# KiCad board pcb.kicad_pcb (continued)
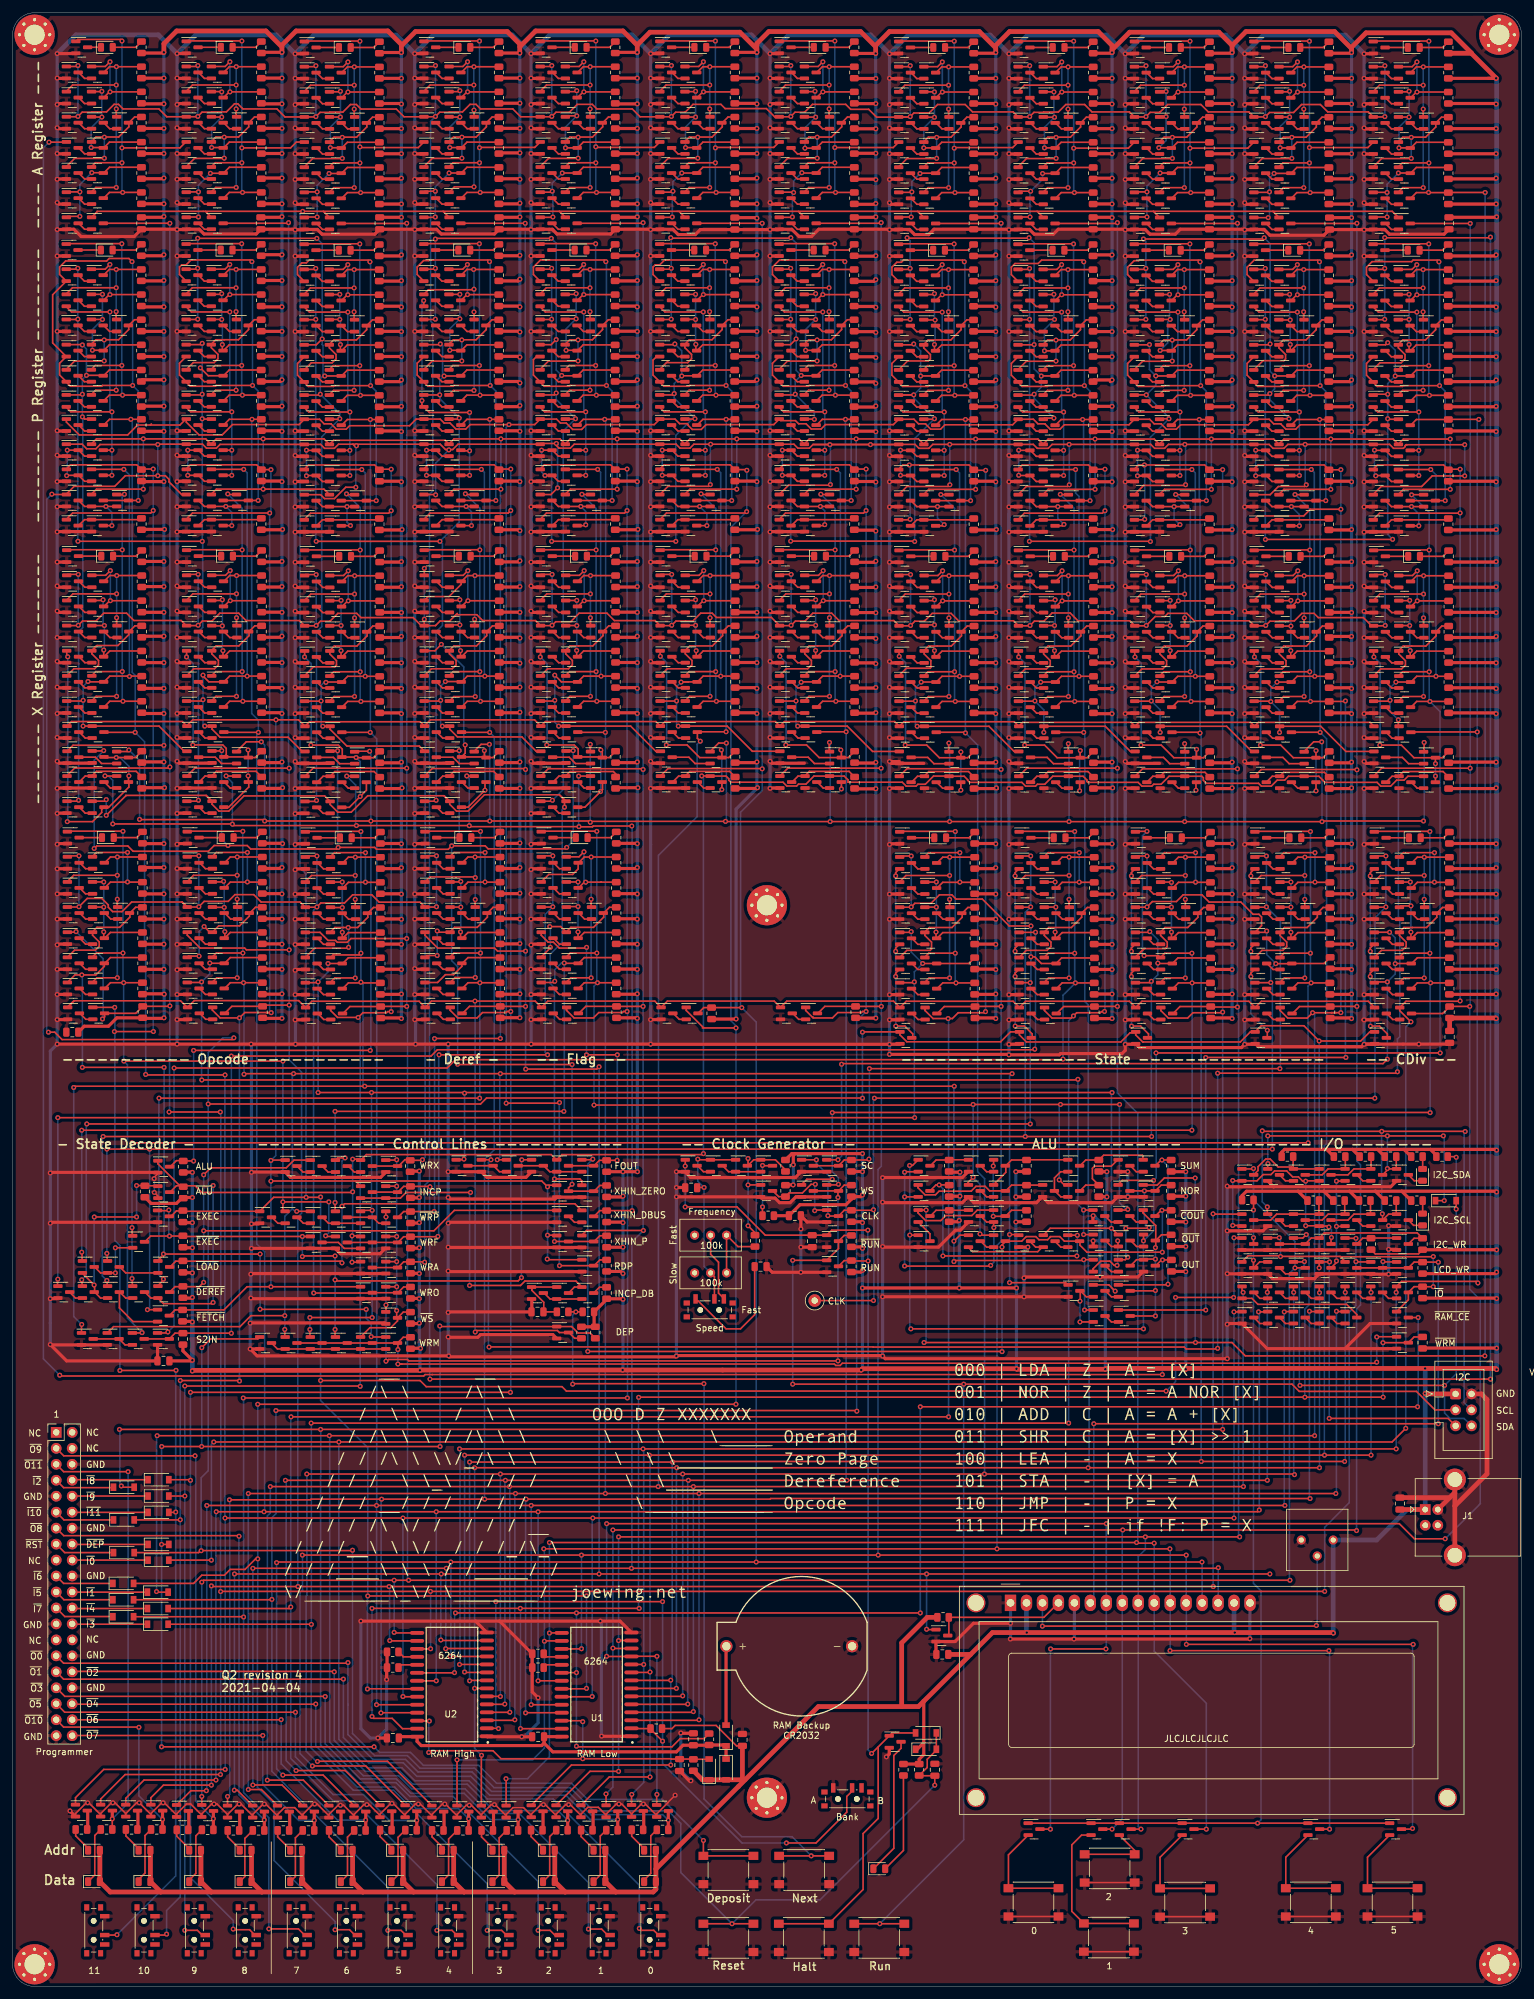
[diagram p0: board, top side]
## Placement (name value [footprint] x y rotation side) (continued)
R382  4.7k  [R_0805_2012Metric]  27.03 24.92 0 top
R383  4.7k  [R_0805_2012Metric]  31.03 24.92 0 top
R384  4.7k  [R_0805_2012Metric]  83.39 24.87 0 top
R385  4.7k  [R_0805_2012Metric]  87.39 24.87 0 top
R386  4.7k  [R_0805_2012Metric]  35.13 24.82 0 top
R387  4.7k  [R_0805_2012Metric]  39.13 24.82 0 top
R388  4.7k  [R_0805_2012Metric]  91.35 24.87 0 top
R389  4.7k  [R_0805_2012Metric]  95.35 24.87 0 top
R390  4.7k  [R_0805_2012Metric]  43.08 24.82 0 top
R391  4.7k  [R_0805_2012Metric]  47.08 24.82 0 top
R392  4.7k  [R_0805_2012Metric]  99.4 24.92 0 top
R393  4.7k  [R_0805_2012Metric]  103.4 24.92 0 top
R394  4.7k  [R_0805_2012Metric]  51.25 24.82 0 top
R395  4.7k  [R_0805_2012Metric]  55.25 24.82 0 top
R396  10k  [R_0805_2012Metric]  228.4 248.4 90 top
R397  10k  [R_0805_2012Metric]  228.6 155 90 top
R398  100k  [R_0805_2012Metric]  228.4 240.4 90 top
R399  10k  [R_0805_2012Metric]  228.4 232.65 90 top
R400  10k  [R_0805_2012Metric]  228.38 252.24 90 top
R401  10k  [R_0805_2012Metric]  228.38 268.24 90 top
R402  4.7k  [R_0805_2012Metric]  228.38 276.24 90 top
R403  10k  [R_0805_2012Metric]  228.38 256.24 90 top
R404  10k  [R_0805_2012Metric]  228.38 272.24 90 top
R405  10k  [R_0805_2012Metric]  228.38 264.24 90 top
R406  10k  [R_0805_2012Metric]  228.38 260.24 90 top
R407  10k  [R_0805_2012Metric]  228.4 284.5 90 top
R408  10k  [R_0805_2012Metric]  228.4 300.5 90 top
R409  4.7k  [R_0805_2012Metric]  228.4 308.5 90 top
R410  10k  [R_0805_2012Metric]  228.4 288.5 90 top
R411  10k  [R_0805_2012Metric]  228.4 304.5 90 top
R412  10k  [R_0805_2012Metric]  228.4 296.5 90 top
R413  10k  [R_0805_2012Metric]  228.4 292.5 90 top
R414  10k  [R_0805_2012Metric]  228.45 195.6 90 top
R415  10k  [R_0805_2012Metric]  228.45 191.5 90 top
R416  10k  [R_0805_2012Metric]  228.45 203.54 90 top
R417  10k  [R_0805_2012Metric]  228.45 219.54 90 top
R418  4.7k  [R_0805_2012Metric]  228.45 227.54 90 top
R419  10k  [R_0805_2012Metric]  228.45 207.54 90 top
R420  10k  [R_0805_2012Metric]  228.45 223.54 90 top
R421  10k  [R_0805_2012Metric]  228.45 215.54 90 top
R422  10k  [R_0805_2012Metric]  228.45 211.54 90 top
R423  10k  [R_0805_2012Metric]  133.9 248.42 90 top
R424  10k  [R_0805_2012Metric]  134.1 155.02 90 top
R425  10k  [R_0805_2012Metric]  228.56 158.76 90 top
R426  10k  [R_0805_2012Metric]  228.56 174.76 90 top
R427  4.7k  [R_0805_2012Metric]  228.56 182.76 90 top
R428  10k  [R_0805_2012Metric]  228.56 162.76 90 top
R429  10k  [R_0805_2012Metric]  228.56 178.76 90 top
R430  10k  [R_0805_2012Metric]  228.56 170.76 90 top
R431  10k  [R_0805_2012Metric]  228.56 166.76 90 top
R432  10k  [R_0805_2012Metric]  114.9 248.42 90 top
R433  10k  [R_0805_2012Metric]  111.2 154.83 90 top
R434  10k  [R_0805_2012Metric]  114.9 284.52 90 top
R435  10k  [R_0805_2012Metric]  114.9 300.52 90 top
R436  4.7k  [R_0805_2012Metric]  114.9 308.52 90 top
R437  10k  [R_0805_2012Metric]  114.9 288.52 90 top
R438  10k  [R_0805_2012Metric]  114.9 304.52 90 top
R439  10k  [R_0805_2012Metric]  114.9 296.52 90 top
R440  10k  [R_0805_2012Metric]  114.9 292.52 90 top
R441  10k  [R_0805_2012Metric]  114.95 195.62 90 top
R442  10k  [R_0805_2012Metric]  114.95 191.52 90 top
R443  10k  [R_0805_2012Metric]  114.95 203.56 90 top
R444  10k  [R_0805_2012Metric]  114.95 219.56 90 top
R445  4.7k  [R_0805_2012Metric]  114.95 227.56 90 top
R446  10k  [R_0805_2012Metric]  114.95 207.56 90 top
R447  10k  [R_0805_2012Metric]  114.95 223.56 90 top
R448  10k  [R_0805_2012Metric]  114.95 215.56 90 top
R449  10k  [R_0805_2012Metric]  114.95 211.56 90 top
R450  100k  [R_0805_2012Metric]  114.9 240.42 90 top
R451  10k  [R_0805_2012Metric]  114.9 232.67 90 top
R452  10k  [R_0805_2012Metric]  133.88 252.27 90 top
R453  10k  [R_0805_2012Metric]  133.88 268.27 90 top
R454  4.7k  [R_0805_2012Metric]  133.88 276.27 90 top
R455  10k  [R_0805_2012Metric]  133.88 256.27 90 top
R456  10k  [R_0805_2012Metric]  133.88 272.27 90 top
R457  10k  [R_0805_2012Metric]  133.88 264.27 90 top
R458  10k  [R_0805_2012Metric]  133.88 260.27 90 top
R459  10k  [R_0805_2012Metric]  133.9 284.52 90 top
R460  10k  [R_0805_2012Metric]  133.9 300.52 90 top
R461  4.7k  [R_0805_2012Metric]  133.9 308.52 90 top
R462  10k  [R_0805_2012Metric]  133.9 288.52 90 top
R463  10k  [R_0805_2012Metric]  133.9 304.52 90 top
R464  10k  [R_0805_2012Metric]  133.9 296.52 90 top
R465  10k  [R_0805_2012Metric]  133.9 292.52 90 top
R466  10k  [R_0805_2012Metric]  133.95 195.62 90 top
R467  10k  [R_0805_2012Metric]  133.95 191.52 90 top
R468  10k  [R_0805_2012Metric]  133.95 203.56 90 top
R469  10k  [R_0805_2012Metric]  133.95 219.56 90 top
R470  4.7k  [R_0805_2012Metric]  133.95 227.56 90 top
R471  10k  [R_0805_2012Metric]  133.95 207.56 90 top
R472  10k  [R_0805_2012Metric]  133.95 223.56 90 top
R473  10k  [R_0805_2012Metric]  133.95 215.56 90 top
R474  10k  [R_0805_2012Metric]  133.95 211.56 90 top
R475  10k  [R_0805_2012Metric]  114.88 252.27 90 top
R476  10k  [R_0805_2012Metric]  114.88 268.27 90 top
R477  4.7k  [R_0805_2012Metric]  114.88 276.27 90 top
R478  10k  [R_0805_2012Metric]  114.88 256.27 90 top
R479  10k  [R_0805_2012Metric]  114.88 272.27 90 top
R480  10k  [R_0805_2012Metric]  114.88 264.27 90 top
R481  10k  [R_0805_2012Metric]  114.88 260.27 90 top
R482  100k  [R_0805_2012Metric]  133.9 240.42 90 top
R483  10k  [R_0805_2012Metric]  133.9 232.67 90 top
R484  10k  [R_0805_2012Metric]  216.1 118.14 90 top
R485  10k  [R_0805_2012Metric]  224.3 118.13 90 top
R486  10k  [R_0805_2012Metric]  211.1 132.03 0 top
R487  10k  [R_0805_2012Metric]  202.8 132.03 0 top
R488  4.7k  [R_0805_2012Metric]  223.4 132.03 0 top
R489  10k  [R_0805_2012Metric]  215.2 132.03 0 top
R490  10k  [R_0805_2012Metric]  219.2 132.03 0 top
R491  10k  [R_0805_2012Metric]  211 125.03 0 top
R492  10k  [R_0805_2012Metric]  206.9 125.03 0 top
R493  10k  [R_0805_2012Metric]  215.1 125.03 0 top
R494  10k  [R_0805_2012Metric]  219.2 125.03 0 top
R495  4.7k  [R_0805_2012Metric]  223.4 125.03 0 top
RV1  100k  [Potentiometer_Bourns_3296W_Vertical]  108.5 113.53 180 top
RV2  100k  [Potentiometer_Bourns_3296W_Vertical]  108.5 119.53 180 top
RV3  10k  [Potentiometer_Bourns_3386P_Vertical]  205 71.03 270 top
SW1  Speed  [SW_TA3524S-A2]  110.9 107.63 0 top
SW2  Bank  [SW_TA3524S-A2]  132.8 29.83 0 top
SW3  Halt  [SW_SPST_PTS645]  125.87 7.73 0 top
SW4  Reset  [SW_SPST_PTS645]  113.87 7.73 0 top
SW5  Deposit  [SW_SPST_PTS645]  113.87 18.53 0 top
SW6  Run  [SW_SPST_PTS645]  137.87 7.73 0 top
SW7  Next  [SW_SPST_PTS645]  125.92 18.53 0 top
SW14  Input  [SW_SPST_PTS645]  219.52 13.38 0 top
SW15  Input  [SW_SPST_PTS645]  206.52 13.38 0 top
SW16  Input  [SW_SPST_PTS645]  186.52 13.35 0 top
SW17  Input  [SW_SPST_PTS645]  174.52 18.78 0 top
SW18  Input  [SW_SPST_PTS645]  174.4 7.78 0 top
SW19  Input  [SW_SPST_PTS645]  162.4 13.38 0 top
SW20  SW  [SW_TA3524S-A2]  61.14 8.93 270 top
SW21  SW  [SW_TA3524S-A2]  12.89 8.93 270 top
SW22  SW  [SW_TA3524S-A2]  69.19 8.93 270 top
SW23  SW  [SW_TA3524S-A2]  20.89 8.93 270 top
SW24  SW  [SW_TA3524S-A2]  77.19 8.93 270 top
SW25  SW  [SW_TA3524S-A2]  28.89 8.93 270 top
SW26  SW  [SW_TA3524S-A2]  85.19 8.93 270 top
SW27  SW  [SW_TA3524S-A2]  37 8.93 270 top
SW28  SW  [SW_TA3524S-A2]  93.29 8.93 270 top
SW29  SW  [SW_TA3524S-A2]  45.09 8.93 270 top
SW30  SW  [SW_TA3524S-A2]  101.34 8.93 270 top
SW31  SW  [SW_TA3524S-A2]  53.09 8.93 270 top
TP1  CLK  [TestPoint_Loop_D2.50mm_Drill1.0mm]  127.6 109.13 0 top
U1  6264  [SOIC127P1210X305-28N]  92.9 48.03 180 top
U2  6264  [SOIC127P1210X305-28N]  69.9 48.03 180 top

## Library data of the parts
C1-C6 C12 C20 C25 = -: LCSC: C28323
C7-C11 C14-C19 C21-C24 C26-C28 = -: LCSC: C49678
C13 = -: LCSC: C46653
D1-D29 D33-D40 D67 D68 D83-D92 = -: LCSC: C2293
D30-D32 D41 D42 D69-D82 D93 = -: LCSC: C19167
D43-D66 = -: LCSC: C34499
Q1-Q1111 = -: LCSC: C181083
R1 R2 R4-R6 R8-R13 R15-R22 R24-R29 R31-R34 R36 R37 R39-R41 R43 R47 R48 R51 R56-R59 R61-R63 R65-R70 R72-R79 R81-R86 R88-R93 R95-R97 R99-R104 R106-R113 R115-R120 R122-R125 R128 R129 R133 R134 R136 R137 R139-R141 R143-R148 R150-R157 R159-R164 R166-R171 R173-R175 R177-R182 R184-R191 R193-R198 R200-R218 R220-R222 R224-R229 R231-R238 R240-R245 R247-R252 R254-R256 R258-R263 R265-R272 R274-R279 R281-R287 R290 R291 R298 R299 R301-R303 R305-R310 R312-R319 R321-R326 R328-R333 R335-R337 R339-R344 R346-R353 R355-R360 R362-R366 R368-R371 R396 R397 R399-R401 R403-R408 R410-R417 R419-R426 R428-R435 R437-R444 R446-R449 R451-R453 R455-R460 R462-R469 R471-R476 R478-R481 R483-R487 R489-R494 = -: LCSC: C17414
R3 R60 R94 R138 R172 R219 R253 R292-R297 R300 R334 R367 R398 R450 R482 = -: LCSC: C17407
R7 R14 R23 R30 R64 R71 R80 R87 R98 R105 R114 R121 R135 R142 R149 R158 R165 R176 R183 R192 R199 R223 R230 R239 R246 R257 R264 R273 R280 R304 R311 R320 R327 R338 R345 R354 R361 R372-R395 R402 R409 R418 R427 R436 R445 R454 R461 R470 R477 R488 R495 = -: LCSC: C17673
R35 R38 R42 R44-R46 R49 R50 R52-R55 R126 R127 R130-R132 R288 = -: LCSC: C17513
SW1 SW2 SW20-SW31 = -: LCSC: C514017
SW3-SW7 SW14-SW19 = -: LCSC: C620316
U1 U2 = -: LCSC: C261872

## Footprints (pads in the part's own frame, mm; a bottom-side part is the same pattern mirrored in y, then rotated)
BATTCOM_20MM_PTH
  round 1.948 hole 1.298: 1(11.849,0) 2(-8.148,0)
C_0805_2012Metric
  rrect 1x1.45 smd: 1(-0.95,0) 2(0.95,0)
D_SOD-123
  rect 0.9x1.2 smd: 1(-1.65,0) 2(1.65,0)
IDC-Header_2x03_P2.54mm_Vertical
  rrect 1.7x1.7 hole 1: 1(0,0)
  round 1.7 hole 1: 2(2.54,0) 3(0,-2.54) 4(2.54,-2.54) 5(0,-5.08) 6(2.54,-5.08)
LED_0805_2012Metric
  rrect 0.975x1.4 smd: 1(-0.938,0) 2(0.938,0)
MountingHole_3.2mm_M3_Pad_Via
  round 0.8 hole 0.5: 1(-2.4,0) 1(-1.697,1.697) 1(-1.697,-1.697) 1(0,2.4) 1(0,-2.4) 1(1.697,1.697) 1(1.697,-1.697) 1(2.4,0)
  round 6.4 hole 3.2: 1(0,0)
PinHeader_2x20_P2.54mm_Vertical
  rect 1.7x1.7 hole 1: 1(0,0)
  oval 1.7x1.7 hole 1: 2(2.54,0) 3(0,-2.54) 4(2.54,-2.54) 5(0,-5.08) 6(2.54,-5.08) 7(0,-7.62) 8(2.54,-7.62) 9(0,-10.16) 10(2.54,-10.16) 11(0,-12.7) 12(2.54,-12.7) 13(0,-15.24) 14(2.54,-15.24) 15(0,-17.78) 16(2.54,-17.78) 17(0,-20.32) 18(2.54,-20.32) 19(0,-22.86) 20(2.54,-22.86) 21(0,-25.4) 22(2.54,-25.4) 23(0,-27.94) 24(2.54,-27.94) 25(0,-30.48) 26(2.54,-30.48) 27(0,-33.02) 28(2.54,-33.02) 29(0,-35.56) 30(2.54,-35.56) 31(0,-38.1) 32(2.54,-38.1) 33(0,-40.64) 34(2.54,-40.64) 35(0,-43.18) 36(2.54,-43.18) 37(0,-45.72) 38(2.54,-45.72) 39(0,-48.26) 40(2.54,-48.26)
Potentiometer_Bourns_3296W_Vertical
  round 1.44 hole 0.8: 1(0,0) 2(-2.54,0) 3(-5.08,0)
Potentiometer_Bourns_3386P_Vertical
  round 1.44 hole 0.8: 1(0,0) 2(2.54,2.54) 3(0,5.08)
R_0805_2012Metric
  rrect 1.025x1.4 smd: 1(-0.912,0) 2(0.912,0)
SOIC127P1210X305-28N
  oval 2.25x0.6 smd: 1(-5.55,8.225) 2(-5.55,6.955) 3(-5.55,5.685) 4(-5.55,4.415) 5(-5.55,3.145) 6(-5.55,1.875) 7(-5.55,0.605) 8(-5.55,-0.665) 9(-5.55,-1.935) 10(-5.55,-3.205) 11(-5.55,-4.475) 12(-5.55,-5.745) 13(-5.55,-7.015) 14(-5.55,-8.285) 15(5.55,-8.225) 16(5.55,-6.955) 17(5.55,-5.685) 18(5.55,-4.415) 19(5.55,-3.145) 20(5.55,-1.875) 21(5.55,-0.605) 22(5.55,0.665) 23(5.55,1.935) 24(5.55,3.205) 25(5.55,4.475) 26(5.55,5.745) 27(5.55,7.015) 28(5.55,8.285)
SOT-23
  rrect 1.475x0.6 smd: 1(-0.938,0.95) 2(-0.938,-0.95) 3(0.938,0)
SW_SPST_PTS645
  rect 1.55x1.3 smd: 1(-3.98,2.25) 1(3.98,2.25) 2(-3.98,-2.25) 2(3.98,-2.25)
SW_TA3524S-A2
  rect 1x0.8 smd: (-3.65,1.11) (-3.65,-1.1) (3.65,1.11) (3.65,-1.1)
  round 0.9 hole 0.9 unplated: (-1.5,0) (1.5,0)
  rect 0.7x1.5 smd: 1(-2.25,1.76) 2(0.75,1.76) 3(2.25,1.76)
TestPoint_Loop_D2.50mm_Drill1.0mm
  round 2 hole 1: 1(0,0)
USB_B_OST_USB-B1HSxx_Horizontal
  rect 1.7x1.7 hole 0.92: 1(0,0)
  round 1.7 hole 0.92: 2(0,-2.5) 3(2,-2.5) 4(2,0)
  round 3.5 hole 2.33: 5(4.71,4.77) 5(4.71,-7.27)
WC1602A
  round 3 hole 2.5: (-5.499,0) (-5.499,-31.001) (69.499,-31.001) (69.5,0)
  rect 1.8x2.6 hole 1.2: 1(0,0)
  oval 1.8x2.6 hole 1.2: 2(2.54,0) 3(5.08,0) 4(7.62,0) 5(10.16,0) 6(12.7,0) 7(15.24,0) 8(17.78,0) 9(20.32,0) 10(22.86,0) 11(25.4,0) 12(27.94,0) 13(30.48,0) 14(33.02,0) 15(35.56,0) 16(38.1,0)

## Nets
GND: BT1.2 C1.2 C2.2 C3.2 C4.2 C5.2 C6.2 C7.2 C8.1 C9.2 C10.2 C11.1 C12.1 C13.1 C14.2 C15.2 C16.2 C17.2 C18.1 C19.1 C20.2 C21.1 C22.2 C23.2 C24.1 C25.1 C26.2 C27.2 C28.2 DS1.1 DS1.5 DS1.16 H1.1 H2.1 H3.1 H4.1 H5.1 H6.1 J1.4 J1.5 J2.6 J2.9 J2.14 J2.20 J2.25 J2.30 J2.34 J2.39 J3.2 Q2.2 Q4.2 Q9.2 Q10.2 Q11.2 Q12.2 Q13.2 Q18.2 Q25.2 Q29.2 Q32.2 Q33.2 Q34.2 Q37.2 Q38.2 Q41.2 Q43.2 Q48.2 Q49.2 Q50.2 Q51.2 Q52.2 Q53.2 Q56.2 Q57.2 Q58.2 Q61.2 Q62.2 Q65.2 Q67.2 Q70.2 Q71.2 Q72.2 Q75.2 Q76.2 Q79.2 Q81.2 Q90.2 Q92.2 Q94.2 Q95.2 Q96.2 Q98.2 Q99.2 Q100.2 Q101.2 Q102.2 Q103.2 Q104.2 Q105.2 Q107.2 Q110.2 Q111.2 Q112.2 Q113.2 Q114.2 Q117.2 Q119.2 Q122.2 Q127.2 Q129.2 Q132.2 Q133.2 Q134.2 Q135.2 Q142.2 Q144.2 Q149.2 Q150.2 Q151.2 Q152.2 Q153.2 Q158.2 Q165.2 Q169.2 Q172.2 Q173.2 Q174.2 Q177.2 Q178.2 Q181.2 Q183.2 Q188.2 Q189.2 Q190.2 Q191.2 Q192.2 Q193.2 Q196.2 Q197.2 Q198.2 Q201.2 Q202.2 Q205.2 Q207.2 Q210.2 Q211.2 Q212.2 Q215.2 Q216.2 Q219.2 Q221.2 Q223.2 Q224.2 Q226.2 Q231.2 Q232.2 Q233.2 Q234.2 Q235.2 Q240.2 Q247.2 Q251.2 Q254.2 Q255.2 Q256.2 Q259.2 Q260.2 Q263.2 Q265.2 Q269.2 Q270.2 Q271.2 Q272.2 Q275.2 Q276.2 Q277.2 Q280.2 Q281.2 Q284.2 Q286.2 Q289.2 Q290.2 Q291.2 Q298.2 Q301.2 Q302.2 Q305.2 Q306.2 Q308.2 Q309.2 Q310.2 Q311.2 Q312.2 Q313.2 Q315.2 Q317.2 Q322.2 Q323.2 Q324.2 Q325.2 Q326.2 Q331.2 Q338.2 Q342.2 Q345.2 Q346.2 Q347.2 Q350.2 Q351.2 Q354.2 Q356.2 Q361.2 Q362.2 Q363.2 Q364.2 Q365.2 Q366.2 Q369.2 Q370.2 Q371.2 Q374.2 Q375.2 Q378.2 Q380.2 Q383.2 Q384.2 Q385.2 Q388.2 Q389.2 Q392.2 Q394.2 Q396.2 Q397.2 Q399.2 Q404.2 Q405.2 Q406.2 Q407.2 Q408.2 Q413.2 Q420.2 Q424.2 Q427.2 Q428.2 Q429.2 Q432.2 Q433.2 Q436.2 Q438.2 Q442.2 Q443.2 Q444.2 Q445.2 Q448.2 Q449.2 Q450.2 Q453.2 Q454.2 Q457.2 Q459.2 Q462.2 Q463.2 Q464.2 Q471.2 Q475.2 Q478.2 Q479.2 Q485.2 Q486.2 Q487.2 Q499.2 Q500.2 Q505.2 Q506.2 Q507.2 Q508.2 Q509.2 Q511.2 Q513.2 Q518.2 Q519.2 Q520.2 Q521.2 Q522.2 Q527.2 Q534.2 Q538.2 Q541.2 Q542.2 Q543.2 Q546.2 Q547.2 Q550.2 Q552.2 Q557.2 Q558.2 Q559.2 Q560.2 Q561.2 Q562.2 Q565.2 Q566.2 Q567.2 Q570.2 Q571.2 Q574.2 Q576.2 Q579.2 Q580.2 Q581.2 Q584.2 Q585.2 Q588.2 Q590.2 Q592.2 Q593.2 Q595.2 Q600.2 Q601.2 Q602.2 Q603.2 Q604.2 Q609.2 Q616.2 Q620.2 Q623.2 Q624.2 Q625.2 Q628.2 Q629.2 Q632.2 Q634.2 Q638.2 Q639.2 Q640.2 Q641.2 Q644.2 Q645.2 Q646.2 Q649.2 Q650.2 Q653.2 Q655.2 Q658.2 Q659.2 Q660.2 Q667.2 Q670.2 Q671.2 Q672.2 Q673.2 Q678.2 Q679.2 Q687.2 Q689.2 Q691.2 Q696.2 Q697.2 Q698.2 Q699.2 Q700.2 Q705.2 Q712.2 Q716.2 Q719.2 Q720.2 Q721.2 Q724.2 Q725.2 Q728.2 Q730.2 Q735.2 Q736.2 Q737.2 Q738.2 Q739.2 Q740.2 Q743.2 Q744.2 Q745.2 Q748.2 Q749.2 Q752.2 Q754.2 Q757.2 Q758.2 Q759.2 Q762.2 Q763.2 Q766.2 Q768.2 Q770.2 Q771.2 Q773.2 Q778.2 Q779.2 Q780.2 Q781.2 Q782.2 Q787.2 Q794.2 Q798.2 Q801.2 Q802.2 Q803.2 Q806.2 Q807.2 Q810.2 Q812.2 Q816.2 Q817.2 Q818.2 Q819.2 Q822.2 Q823.2 Q824.2 Q827.2 Q828.2 Q831.2 Q833.2 Q836.2 Q837.2 Q838.2 Q845.2 Q848.2 Q849.2 Q850.2 Q851.2 Q852.2 Q853.2 Q862.2 Q863.2 Q864.2 Q865.2 Q866.2 Q867.2 Q868.2 Q869.2 Q870.2 Q871.2 Q872.2 Q873.2 Q874.2 Q875.2 Q876.2 Q877.2 Q878.2 Q879.2 Q880.2 Q881.2 Q882.2 Q883.2 Q884.2 Q885.2 Q887.2 Q888.2 Q890.2 Q895.2 Q896.2 Q897.2 Q898.2 Q899.2 Q904.2 Q911.2 Q915.2 Q918.2 Q919.2 Q920.2 Q923.2 Q924.2 Q927.2 Q929.2 Q933.2 Q934.2 Q935.2 Q936.2 Q939.2 Q940.2 Q941.2 Q944.2 Q945.2 Q948.2 Q950.2 Q952.2 Q955.2 Q956.2 Q957.2 Q964.2 Q968.2 Q971.2 Q972.2 Q973.2 Q976.2 Q977.2 Q980.2 Q982.2 Q986.2 Q987.2 Q988.2 Q989.2 Q992.2 Q993.2 Q994.2 Q997.2 Q998.2 Q1001.2 Q1003.2 Q1005.2 Q1007.2 Q1012.2 Q1013.2 Q1014.2 Q1015.2 Q1016.2 Q1021.2 Q1028.2 Q1032.2 Q1035.2 Q1036.2 Q1037.2 Q1040.2 Q1041.2 Q1044.2 Q1046.2 Q1050.2 Q1051.2 Q1052.2 Q1053.2 Q1056.2 Q1057.2 Q1058.2 Q1061.2 Q1062.2 Q1065.2 Q1067.2 Q1072.2 Q1079.2 Q1083.2 Q1088.2 Q1089.2 Q1090.2 Q1091.2 Q1092.2 Q1093.2 Q1095.2 Q1096.2 Q1097.2 Q1102.2 Q1105.2 Q1108.2 Q1110.2 Q1111.2 R292.2 R293.2 R294.2 R295.2 RV3.1 SW2.1 SW3.2 SW4.2 SW5.2 SW6.2 SW7.2 SW14.2 SW15.2 SW16.2 SW17.2 SW18.2 SW19.2 SW20.1 SW21.1 SW22.1 SW23.1 SW24.1 SW25.1 SW26.1 SW27.1 SW28.1 SW29.1 SW30.1 SW31.1 U1.1 U1.14 U2.1 U2.14
VCC: C1.1 C2.1 C3.1 C4.1 C5.1 C6.1 C7.1 C9.1 C10.1 C11.2 C14.1 C15.1 C16.1 C17.1 C22.1 C23.1 C26.1 C27.1 C28.1 D31.2 D32.1 D42.1 D43.2 D44.2 D45.2 D46.2 D47.2 D48.2 D49.2 D50.2 D51.2 D52.2 D53.2 D54.2 D55.2 D56.2 D57.2 D58.2 D59.2 D60.2 D61.2 D62.2 D63.2 D64.2 D65.2 D66.2 DS1.2 DS1.15 J1.1 J3.1 Q52.1 R1.1 R2.1 R3.1 R4.1 R5.1 R6.1 R7.1 R8.1 R9.1 R10.1 R11.1 R12.1 R13.1 R14.1 R15.1 R16.1 R17.1 R18.1 R19.1 R20.1 R21.1 R22.1 R23.1 R24.1 R25.1 R26.1 R27.1 R28.1 R29.1 R30.1 R31.1 R32.1 R33.1 R34.1 R35.1 R36.1 R37.1 R38.1 R39.1 R40.1 R41.1 R42.1 R43.1 R44.1 R45.1 R46.1 R47.1 R48.1 R49.1 R50.1 R52.2 R53.1 R54.1 R55.1 R56.1 R57.1 R58.1 R59.1 R60.1 R61.1 R62.1 R63.1 R64.1 R65.1 R66.1 R67.1 R68.1 R69.1 R70.1 R71.1 R72.1 R73.1 R74.1 R75.1 R76.1 R77.1 R78.1 R79.1 R80.1 R81.1 R82.1 R83.1 R84.1 R85.1 R86.1 R87.1 R88.1 R89.1 R90.1 R91.1 R92.1 R93.1 R94.1 R95.1 R96.1 R97.1 R98.1 R99.1 R100.1 R101.1 R102.1 R103.1 R104.1 R105.1 R106.1 R107.1 R108.1 R109.1 R110.1 R111.1 R112.1 R113.1 R114.1 R115.1 R116.1 R117.1 R118.1 R119.1 R120.1 R121.1 R122.1 R123.1 R124.1 R125.1 R126.1 R128.1 R129.1 R130.1 R131.1 R132.2 R133.1 R134.1 R135.1 R136.1 R137.1 R138.1 R139.1 R140.1 R141.1 R142.1 R143.1 R144.1 R145.1 R146.1 R147.1 R148.1 R149.1 R150.1 R151.1 R152.1 R153.1 R154.1 R155.1 R156.1 R157.1 R158.1 R159.1 R160.1 R161.1 R162.1 R163.1 R164.1 R165.1 R166.1 R167.1 R168.1 R169.1 R170.1 R171.1 R172.1 R173.1 R174.1 R175.1 R176.1 R177.1 R178.1 R179.1 R180.1 R181.1 R182.1 R183.1 R184.1 R185.1 R186.1 R187.1 R188.1 R189.1 R190.1 R191.1 R192.1 R193.1 R194.1 R195.1 R196.1 R197.1 R198.1 R199.1 R200.1 R201.1 R202.1 R203.1 R204.1 R205.1 R206.1 R207.1 R208.1 R209.1 R210.1 R211.1 R212.1 R213.1 R214.1 R215.1 R216.1 R217.1 R218.1 R219.1 R220.1 R221.1 R222.1 R223.1 R224.1 R225.1 R226.1 R227.1 R228.1 R229.1 R230.1 R231.1 R232.1 R233.1 R234.1 R235.1 R236.1 R237.1 R238.1 R239.1 R240.1 R241.1 R242.1 R243.1 R244.1 R245.1 R246.1 R247.1 R248.1 R249.1 R250.1 R251.1 R252.1 R253.1 R254.1 R255.1 R256.1 R257.1 R258.1 R259.1 R260.1 R261.1 R262.1 R263.1 R264.1 R265.1 R266.1 R267.1 R268.1 R269.1 R270.1 R271.1 R272.1 R273.1 R274.1 R275.1 R276.1 R277.1 R278.1 R279.1 R280.1 R281.1 R282.1 R283.1 R284.1 R285.1 R286.1 R287.1 R288.1 R290.1 R296.1 R297.1 R298.1 R299.1 R300.1 R301.1 R302.1 R303.1 R304.1 R305.1 R306.1 R307.1 R308.1 R309.1 R310.1 R311.1 R312.1 R313.1 R314.1 R315.1 R316.1 R317.1 R318.1 R319.1 R320.1 R321.1 R322.1 R323.1 R324.1 R325.1 R326.1 R327.1 R328.1 R329.1 R330.1 R331.1 R332.1 R333.1 R334.1 R335.1 R336.1 R337.1 R338.1 R339.1 R340.1 R341.1 R342.1 R343.1 R344.1 R345.1 R346.1 R347.1 R348.1 R349.1 R350.1 R351.1 R352.1 R353.1 R354.1 R355.1 R356.1 R357.1 R358.1 R359.1 R360.1 R361.1 R362.1 R363.1 R364.1 R365.1 R366.1 R367.1 R368.1 R369.1 R370.1 R371.1 R396.1 R397.1 R398.1 R399.1 R400.1 R401.1 R402.1 R403.1 R404.1 R405.1 R406.1 R407.1 R408.1 R409.1 R410.1 R411.1 R412.1 R413.1 R414.1 R415.1 R416.1 R417.1 R418.1 R419.1 R420.1 R421.1 R422.1 R423.1 R424.1 R425.1 R426.1 R427.1 R428.1 R429.1 R430.1 R431.1 R432.1 R433.1 R434.1 R435.1 R436.1 R437.1 R438.1 R439.1 R440.1 R441.1 R442.1 R443.1 R444.1 R445.1 R446.1 R447.1 R448.1 R449.1 R450.1 R451.1 R452.1 R453.1 R454.1 R455.1 R456.1 R457.1 R458.1 R459.1 R460.1 R461.1 R462.1 R463.1 R464.1 R465.1 R466.1 R467.1 R468.1 R469.1 R470.1 R471.1 R472.1 R473.1 R474.1 R475.1 R476.1 R477.1 R478.1 R479.1 R480.1 R481.1 R482.1 R483.1 R484.1 R485.1 R486.1 R487.1 R488.1 R489.1 R490.1 R491.1 R492.1 R493.1 R494.1 R495.1 RV3.3
/ALU/ALU_CARRY: Q482.3 Q490.1 R209.2
/ALU/ALU_NOR: Q496.1 Q508.3 Q509.3 R216.2
/ALU/ALU_SUM: Q484.3 Q497.1 R211.2
/ALU/~{ALU_OUT}: Q487.1 Q489.1 Q495.3 Q496.3 Q497.3 Q498.3 R215.2
/Bit 0/A Register/A DFF/~{Q}: Q915.1 Q918.1 Q921.3 R410.2
/Bit 0/AIN: Q799.3 Q803.1 Q804.1 Q929.1 R343.2
/Bit 0/P Register/P DFF/CLR: Q893.3 Q894.3 Q907.2 Q908.2 Q913.2
/Bit 0/P Register/P DFF/Q: Q900.3 Q904.1 Q905.1 R400.2
/Bit 0/P Register/P DFF/SET: Q891.3 Q892.3 Q902.2 Q903.2
/Bit 0/S Register/CLR: Q888.3 Q960.2 Q961.2 Q966.2
/Bit 0/X Register/X DFF/D: Q930.3 Q932.3 Q950.1 R414.2
/Bit 0/~{P}: Q791.1 Q794.1 Q889.1 Q902.1 Q905.3 Q913.1 R403.2
/Bit 0/~{XIN}: Q775.1 Q814.1 Q822.1 Q825.3 Q936.1 R355.2
/Bit 1/A Register/A DFF/~{Q}: Q798.1 Q801.1 Q804.3 R346.2
/Bit 1/AIN: Q621.3 Q625.1 Q626.1 Q812.1 R262.2
/Bit 1/P Register/P DFF/CLR: Q776.3 Q777.3 Q790.2 Q791.2 Q796.2
/Bit 1/P Register/P DFF/Q: Q783.3 Q787.1 Q788.1 R336.2
/Bit 1/P Register/P DFF/SET: Q774.3 Q775.3 Q785.2 Q786.2
/Bit 1/S Register/CLR: Q771.3 Q841.2 Q842.2 Q847.2
/Bit 1/X Register/X DFF/D: Q813.3 Q815.3 Q833.1 R350.2
/Bit 1/~{P}: Q613.1 Q616.1 Q772.1 Q785.1 Q788.3 Q796.1 R339.2
/Bit 1/~{XIN}: Q597.1 Q636.1 Q644.1 Q647.3 Q819.1 R274.2
/Bit 2/A Register/A DFF/~{Q}: Q620.1 Q623.1 Q626.3 R265.2
/Bit 2/AIN: Q425.3 Q429.1 Q430.1 Q634.1 R181.2
/Bit 2/P Register/P DFF/CLR: Q598.3 Q599.3 Q612.2 Q613.2 Q618.2
/Bit 2/P Register/P DFF/Q: Q605.3 Q609.1 Q610.1 R255.2
/Bit 2/P Register/P DFF/SET: Q596.3 Q597.3 Q607.2 Q608.2
/Bit 2/S Register/CLR: Q593.3 Q663.2 Q664.2 Q669.2
/Bit 2/X Register/X DFF/D: Q635.3 Q637.3 Q655.1 R269.2
/Bit 2/XOUT: Q599.1 Q642.3 Q646.1 Q647.1 R271.2
/Bit 2/~{P}: Q417.1 Q420.1 Q594.1 Q607.1 Q610.3 Q618.1 R258.2
/Bit 2/~{XIN}: Q401.1 Q440.1 Q448.1 Q451.3 Q641.1 R193.2
/Bit 3/A Register/A DFF/~{Q}: Q424.1 Q427.1 Q430.3 R184.2
/Bit 3/AIN: Q252.3 Q256.1 Q257.1 Q438.1 R103.2
/Bit 3/P Register/P DFF/CLR: Q402.3 Q403.3 Q416.2 Q417.2 Q422.2
/Bit 3/P Register/P DFF/Q: Q409.3 Q413.1 Q414.1 R174.2
/Bit 3/P Register/P DFF/SET: Q400.3 Q401.3 Q411.2 Q412.2
/Bit 3/S Register/CLR: Q397.3 Q467.2 Q468.2 Q473.2
/Bit 3/X Register/X DFF/D: Q439.3 Q441.3 Q459.1 R188.2
/Bit 3/XOUT: Q403.1 Q446.3 Q450.1 Q451.1 R190.2
/Bit 3/~{P}: Q244.1 Q247.1 Q398.1 Q411.1 Q414.3 Q422.1 R177.2
/Bit 3/~{XIN}: Q228.1 Q267.1 Q275.1 Q278.3 Q445.1 R115.2
/Bit 4/A Register/A DFF/~{Q}: Q251.1 Q254.1 Q257.3 R106.2
/Bit 4/AIN: Q265.1 Q1033.3 Q1037.1 Q1038.1 R459.2
/Bit 4/P Register/P DFF/CLR: Q229.3 Q230.3 Q243.2 Q244.2 Q249.2
/Bit 4/P Register/P DFF/Q: Q236.3 Q240.1 Q241.1 R96.2
/Bit 4/P Register/P DFF/SET: Q227.3 Q228.3 Q238.2 Q239.2
/Bit 4/S Register/CLR: Q224.3 Q294.2 Q295.2 Q300.2
/Bit 4/SOUT: Q287.3 Q291.1 Q292.1 R119.2
/Bit 4/X Register/X DFF/D: Q266.3 Q268.3 Q286.1 R110.2
/Bit 4/XOUT: Q230.1 Q273.3 Q277.1 Q278.1 R112.2
/Bit 4/~{P}: Q225.1 Q238.1 Q241.3 Q249.1 Q1025.1 Q1028.1 R99.2
/Bit 4/~{XIN}: Q272.1 Q1048.1 Q1056.1 Q1059.3 Q1085.1 R471.2
/Bit 5/A Register (5)/A DFF/~{Q}: Q1032.1 Q1035.1 Q1038.3 R462.2
/Bit 5/AIN: Q969.3 Q973.1 Q974.1 Q1046.1 R434.2
/Bit 5/P Register (5)/P DFF/CLR: Q1024.2 Q1025.2 Q1030.2 Q1086.3 Q1087.3
/Bit 5/P Register (5)/P DFF/Q: Q1017.3 Q1021.1 Q1022.1 R452.2
/Bit 5/P Register (5)/P DFF/SET: Q1019.2 Q1020.2 Q1084.3 Q1085.3
/Bit 5/X Register (5)/X DFF/D: Q1047.3 Q1049.3 Q1067.1 R466.2
/Bit 5/XOUT: Q1054.3 Q1058.1 Q1059.1 Q1087.1 R468.2
/Bit 5/~{P}: Q1019.1 Q1022.3 Q1030.1 Q1076.1 Q1079.1 Q1082.1 R455.2
/Bit 5/~{XIN}: Q984.1 Q992.1 Q995.3 Q1009.1 Q1053.1 R446.2
/Bit 6/A Register (6)/A DFF/~{Q}: Q971.1 Q974.3 Q1005.1 R437.2
/Bit 6/AIN: Q717.3 Q721.1 Q722.1 Q982.1 R309.2
/Bit 6/P Register (6)/P DFF/CLR: Q1010.3 Q1011.3 Q1075.2 Q1076.2 Q1081.2
/Bit 6/P Register (6)/P DFF/Q: Q1068.3 Q1072.1 Q1073.1 R475.2
/Bit 6/P Register (6)/P DFF/SET: Q1008.3 Q1009.3 Q1070.2 Q1071.2
/Bit 6/X Register (6)/X DFF/D: Q983.3 Q985.3 Q1003.1 R441.2
/Bit 6/XOUT: Q990.3 Q994.1 Q995.1 Q1011.1 R443.2
/Bit 6/~{P}: Q709.1 Q712.1 Q1006.1 Q1070.1 Q1073.3 Q1081.1 R478.2
/Bit 6/~{XIN}: Q693.1 Q732.1 Q743.1 Q746.3 Q989.1 R321.2
/Bit 7/A Register/A DFF/~{Q}: Q716.1 Q719.1 Q722.3 R312.2
/Bit 7/AIN: Q539.3 Q543.1 Q544.1 Q730.1 R228.2
/Bit 7/P Register/P DFF/CLR: Q694.3 Q695.3 Q708.2 Q709.2 Q714.2
/Bit 7/P Register/P DFF/Q: Q701.3 Q705.1 Q706.1 R302.2
/Bit 7/P Register/P DFF/SET: Q692.3 Q693.3 Q703.2 Q704.2
/Bit 7/X Register/X DFF/D: Q731.3 Q733.3 Q734.3 Q735.3 Q754.1 R316.2
/Bit 7/XOUT: Q695.1 Q741.3 Q745.1 Q746.1 R318.2
/Bit 7/~{P}: Q531.1 Q534.1 Q690.1 Q703.1 Q706.3 Q714.1 Q738.1 R305.2
/Bit 7/~{XIN}: Q515.1 Q554.1 Q565.1 Q568.3 Q739.1 R240.2
/Bit 8/A Register/A DFF/~{Q}: Q538.1 Q541.1 Q544.3 R231.2
/Bit 8/AIN: Q343.3 Q347.1 Q348.1 Q552.1 R147.2
/Bit 8/P Register/P DFF/CLR: Q516.3 Q517.3 Q530.2 Q531.2 Q536.2
/Bit 8/P Register/P DFF/Q: Q523.3 Q527.1 Q528.1 R221.2
/Bit 8/P Register/P DFF/SET: Q514.3 Q515.3 Q525.2 Q526.2
/Bit 8/X Register/X DFF/D: Q553.3 Q555.3 Q556.3 Q557.3 Q576.1 R235.2
/Bit 8/XOUT: Q517.1 Q563.3 Q567.1 Q568.1 R237.2
/Bit 8/~{P}: Q335.1 Q338.1 Q512.1 Q525.1 Q528.3 Q536.1 Q560.1 R224.2
/Bit 8/~{SOUT}: Q579.1 Q582.3 R247.2
/Bit 8/~{XIN}: Q319.1 Q358.1 Q369.1 Q372.3 Q561.1 R159.2
/Bit 9/A Register/A DFF/~{Q}: Q342.1 Q345.1 Q348.3 R150.2
/Bit 9/P Register/P DFF/CLR: Q320.3 Q321.3 Q334.2 Q335.2 Q340.2
/Bit 9/P Register/P DFF/Q: Q327.3 Q331.1 Q332.1 R140.2
/Bit 9/P Register/P DFF/SET: Q318.3 Q319.3 Q329.2 Q330.2
/Bit 9/X Register/X DFF/D: Q357.3 Q359.3 Q360.3 Q361.3 Q380.1 R154.2
/Bit 9/XOUT: Q321.1 Q367.3 Q371.1 Q372.1 R156.2
/Bit 10/A Register/A DFF/~{Q}: Q169.1 Q172.1 Q175.3 R72.2
/Bit 10/AIN: Q30.3 Q34.1 Q35.1 Q183.1 R12.2
